# KiCad board mainboard.kicad_pcb (continued)
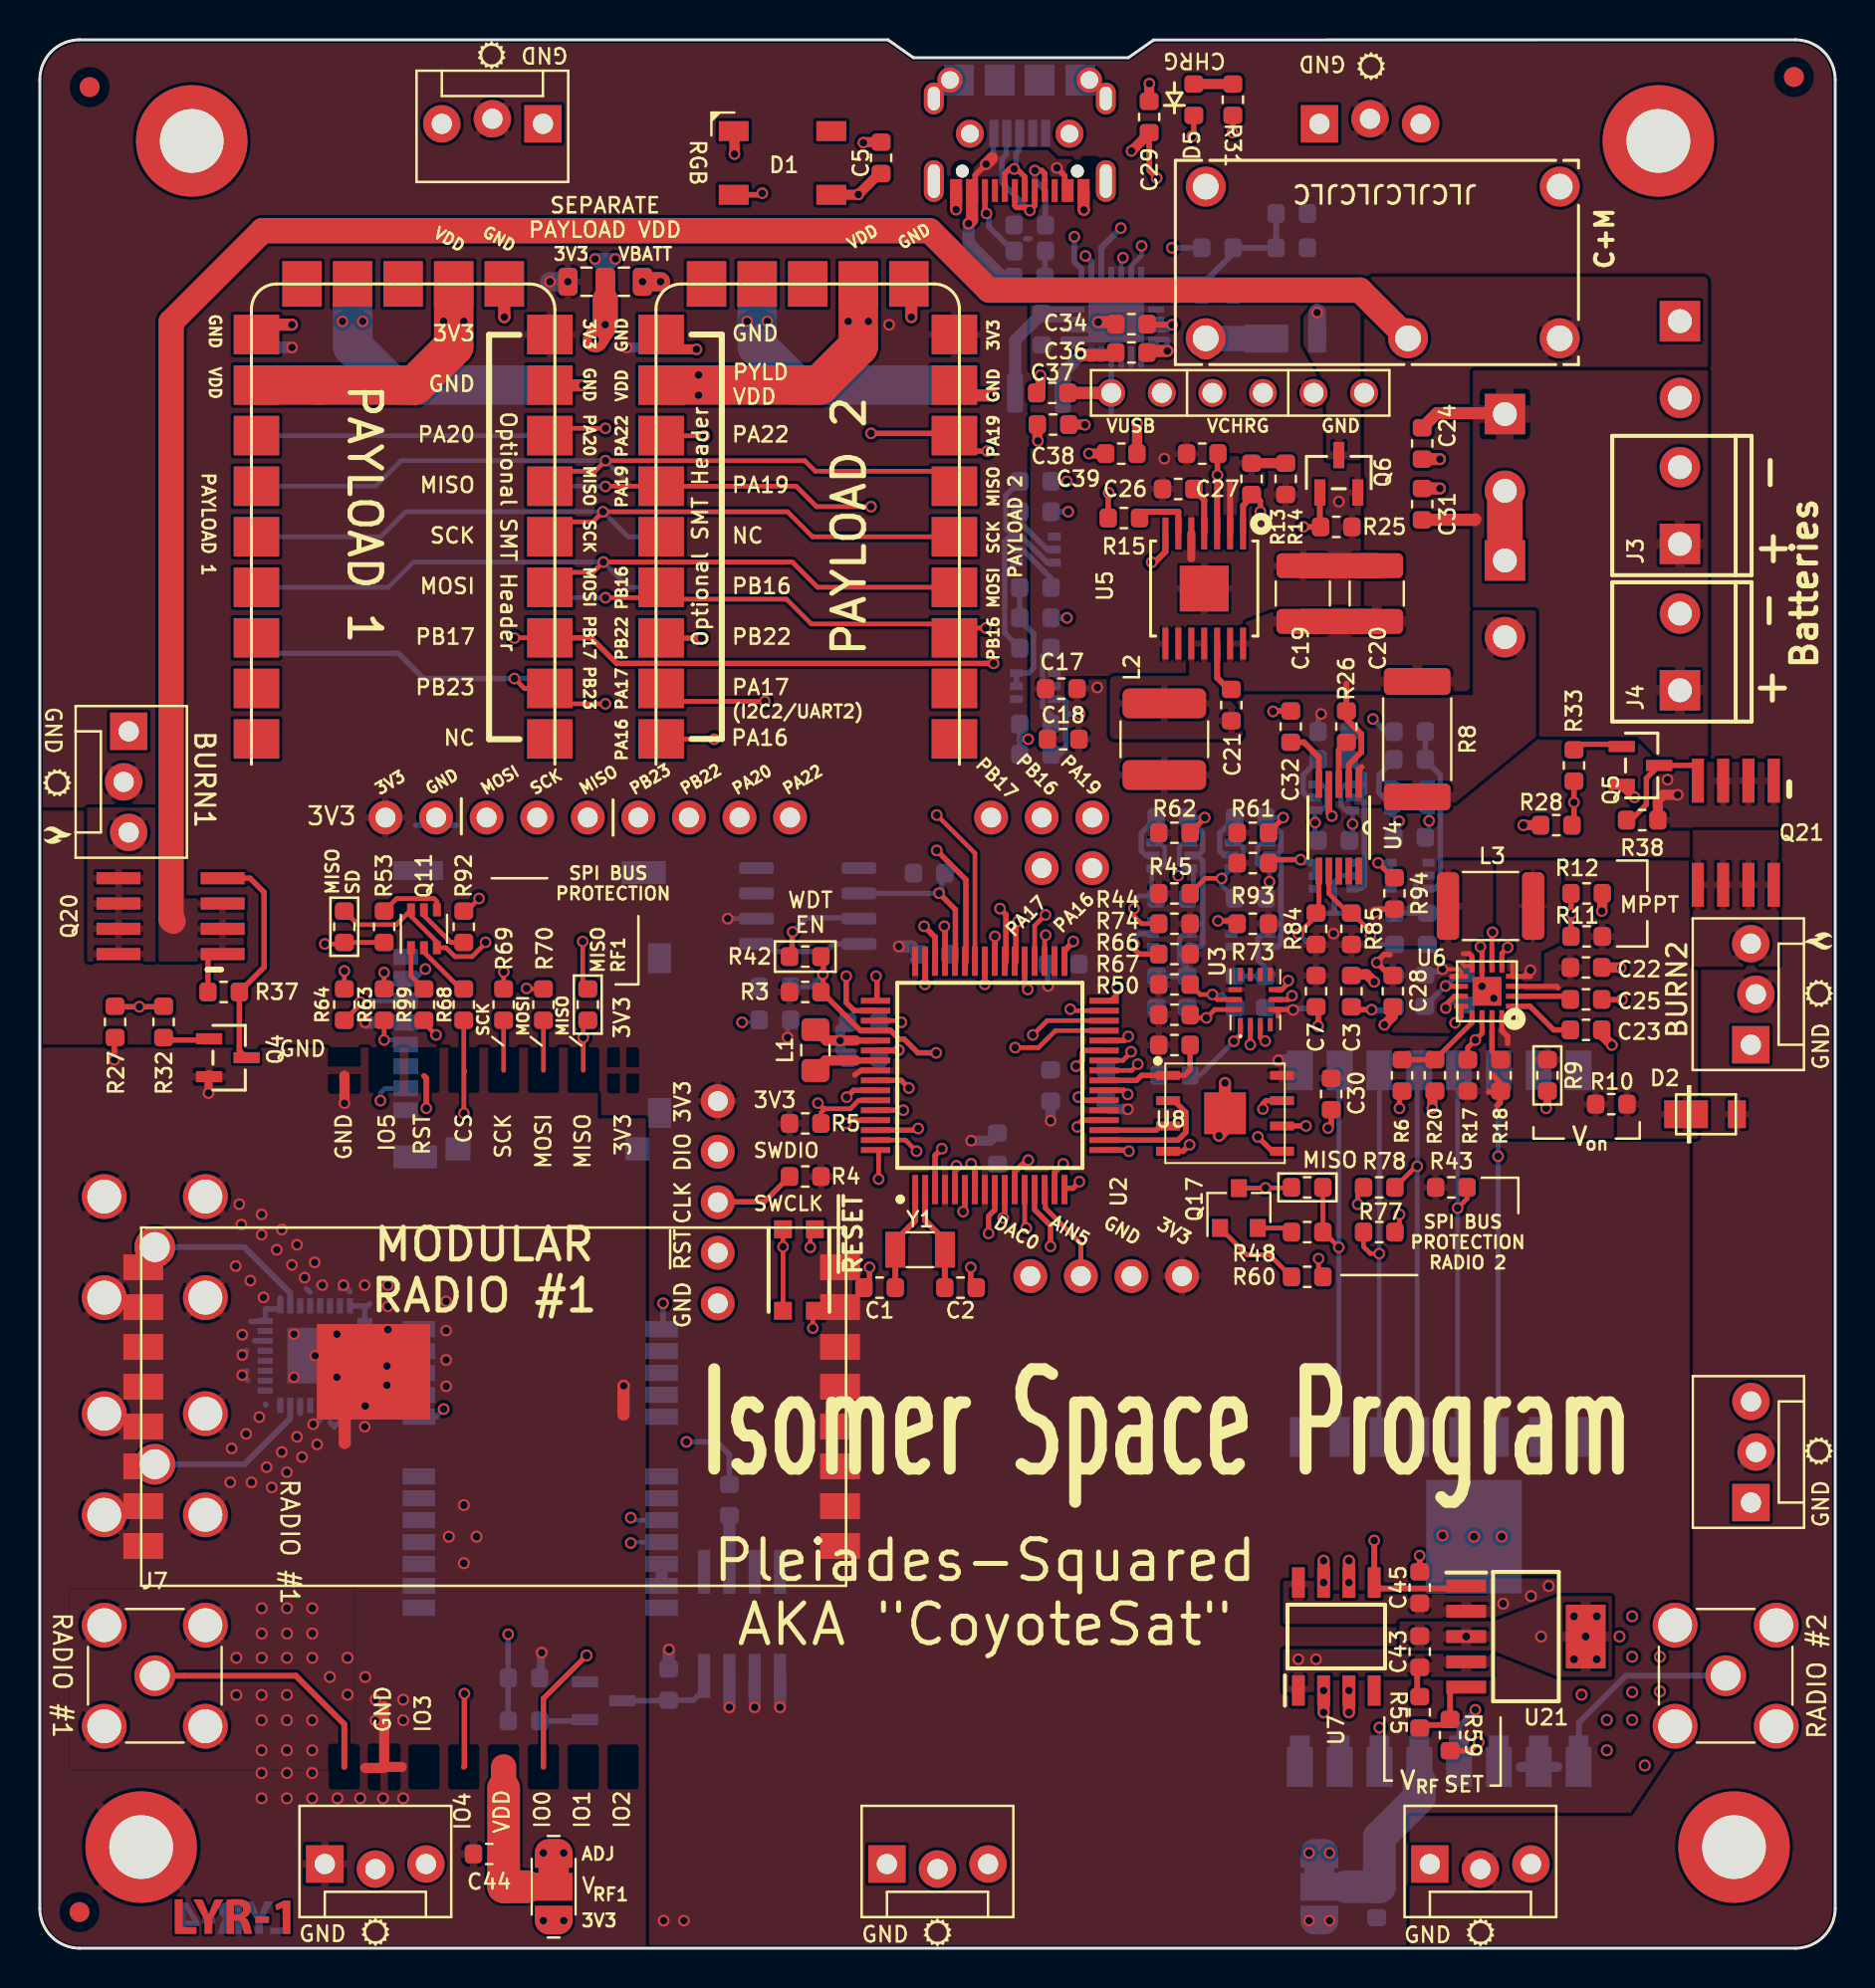
[diagram p0: board, top side]
## Routing (per net, layer and track width the routed paths; a pad name or vN(x,y) marks a point on that pad's centre or on a via; arc(x,y) is an arc through that point) (continued)
MOSI_RF1: length 2.5
  Top w0.235: 25.29,44.11 R70.2
MOSI_RF2: length 20.9
  Top w0.235: R77.1 66.48,35.24 66.83,34.9 v1(67.27,34.9)
  Bottom w0.235: 67.28,44.85 67.28,43.57 67.27,38.77 v1(67.27,34.9) 67.27,25.57
MOSI_SD: length 3.6
  Top w0.235: v1(16.09,47.54) 16.09,47.42 R64.1
  Bottom w0.235: v1(16.09,47.54) 16.16,47.6 J1.3
PA16: length 40.3
  Top w0.235: 50.46,49.52 50.46,50.85 v1(50.52,50.9) ; v1(33.87,60.74) 33.86,60.76 U12.23
  Route15 w0.235: J15.2 52.86,53.31 50.52,50.98 v1(50.52,50.9) 50.52,50.34 49.43,49.25 49.24,49.25 48.83,48.84 48.83,48.52 48.03,47.73 44.35,47.73 39.08,53 36.92,53 33.87,56.05 33.87,57.76 34.57,58.46 34.57,61.47 34.41,61.63 34,61.63 33.87,61.51 v1(33.87,60.74)
  Bottom w0.235: U11.1 33.86,60.76 v1(33.87,60.74)
PA17: length 40.1
  Top w0.235: 49.96,49.52 49.96,51.37 v1(50.51,51.92) ; v1(36.41,62.65) 31.85,62.65 U12.22
  Route15 w0.235: J15.1 50.51,54.08 v1(50.51,51.92) 48.79,50.2 44.16,50.2 39.97,54.39 37.55,54.39 36.41,55.54 v1(36.41,62.65)
  Bottom w0.235: U11.2 31.85,62.65 v1(36.41,62.65)
PA19: length 58.2
  Top w0.235: v1(41.74,72.43) 39.01,72.43 37.99,73.46 U12.18 28.42,73.46 v1(28.41,73.44)
  Top w0.272: v1(49.14,51.59) 49.02,51.47 49.02,49.58 48.96,49.52 ; v1(47.59,75.22) 46.71,75.22 U12.7 45.82,76.11 v1(41.74,76.11)
  Route15 w0.235: v1(41.74,72.43) v1(41.74,76.11)
  Route15 w0.272: v1(49.14,51.59) 49.16,51.61 49.16,54.75 49.94,55.54 51.59,55.54 J9.3 51.4,58.27 49.87,58.27 48.59,59.56 48.59,62.95 49.11,63.47 49.11,73.7 v1(47.59,75.22)
  Bottom w0.235: v1(28.41,73.44) 28.4,73.46 U9.18
PA20: length 60.6
  Top w0.229: v1(28.41,76.37) 25.98,76.37 U10.7
  Top w0.272: 47.46,49.52 47.46,48.43 v1(47.46,48.43)
  Route15 w0.272: v1(28.41,76.37) 28.41,76.24 35.14,69.51 J8.8 35.14,55.54 36.92,53.76 38.85,53.76 43.05,49.57 46.32,49.57 v1(47.46,48.43)
  Bottom w0.229: U9.7 U10.7 25.63,76 26,76.37 v1(28.41,76.37)
PA22: length 40.7
  Top w0.229: U12.17 31.21,75.98 v1(33.36,75.98)
  Top w0.272: v1(45.05,55.16) 46.51,53.69 46.51,49.57 46.46,49.52
  Route15 w0.272: v1(45.05,55.16) 44.75,54.86 38.23,54.86 37.68,55.41 J8.9 37.68,71.67 v1(33.36,75.98)
  Bottom w0.229: 31.18,76 33.35,76 v1(33.36,75.98)
PB16: length 43.1
  Top w0.235: v1(47.51,66.33) 46.44,66.33 45.95,65.84 U12.3 45.23,66.54 38.75,66.54 37.5,67.78 31.8,67.78 U12.20 30.68,67.86 v1(28.41,67.86)
  Top w0.272: v1(48.22,52.24) 48.52,51.93 48.52,49.58 48.46,49.52
  Route15 w0.272: 47.59,66.33 v1(47.51,66.33) 48.67,65.18 48.67,63.76 48.19,63.28 48.19,58.94 J9.2 48.22,54.71 v1(48.22,52.24)
  Bottom w0.235: v1(28.41,67.86) 26.12,67.86 25.61,68.37 U9.20
PB17: length 42.1
  Top w0.235: U10.3 23.85,65.84 v1(23.84,65.82)
  Top w0.272: U10.3 27.69,65.84 28.97,64.55 v1(47.9,64.55) 47.59,64.55 ; 47.96,49.52 47.96,50.41 47.97,50.41 v1(47.97,50.84)
  Route15 w0.272: v1(47.9,64.55) 47.71,64.36 47.71,56.87 J9.1 47.59,56.62 47.59,51.22 v1(47.97,50.84)
  Bottom w0.235: U10.3 23.85,65.84 v1(23.84,65.82)
PB22: length 28.5
  Top w0.272: v1(42,48.83) 42.04,48.79 42.04,47.6 ; v1(33.24,65.82) 31.21,65.82 U12.21
  Route15 w0.272: v1(42,48.83) 38.34,52.49 35.01,52.49 32.6,54.9 J8.7 32.6,65.19 v1(33.24,65.82)
  Bottom w0.272: v1(33.24,65.82) 31.19,65.82 31.18,65.84
PB23: length 45.2
  Top w0.235: v1(23.84,63.79) 24.33,63.3 U10.2 26.39,62.52 v1(28.41,62.52)
  Top w0.272: 42.04,47.1 40.91,47.1 40.5,47.51 v1(40.5,48.83)
  Route15 w0.272: v1(40.5,48.83) 39.51,49.82 35.01,49.82 30.06,54.78 J8.6 30.06,58.33 28.41,59.98 v1(28.41,62.52)
  Bottom w0.235: v1(23.84,63.79) 25.12,63.79 U10.2
  Bottom w0.272: v1(23.84,63.79) 19.27,63.79 18,65.06 11.66,65.06 U9.3
RF1_ANT: length 12.7
  Top w0.293: J7.1 12.86,13.69 15.29,11.26 15.29,9.11
RF1_CS: length 27.2
  Top w0.235: v1(39.08,42.46) 39.37,42.16 39.42,42.16 39.43,42.17 ; 21.35,44.05 21.3,44 v1(21.3,41.95) ; 39.43,42.17 39.23,41.97 R5.2 ; 39.43,42.17 40.7,42.17 41.11,42.58 41.13,42.58 41.15,42.6 42.04,42.6 ; R68.2 21.29,44.11
  Route15 w0.235: v1(39.08,42.46) 38.66,42.46 37.52,41.31 21.93,41.31 v1(21.3,41.95)
RF1_IO0: length 37.9
  Top w0.272: v2(27.46,14.71) 25.29,12.54 25.29,9.11 ; 46.46,38.18 46.46,37.1 v1(46.37,37.01)
  Route15 w0.272: v2(27.46,14.71) 27.48,14.71 45.94,33.16 45.94,36.57 v1(46.37,37.01)
RF1_IO4: length 43.6
  Top w0.272: v1(46.04,39.31) 45.96,39.23 45.96,38.18 ; v1(21.32,12.79) 21.32,9.14 21.29,9.11
  Route15 w0.272: 46.14,39.41 v1(46.04,39.31) 45.35,38.62 45.35,33.64 28.03,16.32 25.58,16.32 22.05,12.79 v1(21.32,12.79)
RF1_RST: length 26.9
  Top w0.272: v1(40.47,41.44) 40.64,41.6 42.04,41.6
  Top w0.279: v1(19.41,42.2) 19.41,43.71 19.29,43.83
  Route15 w0.279: v1(19.41,42.2) 22.84,38.77 37.81,38.77 v1(40.47,41.44)
RF2_CS: length 46.5
  Top w0.235: v1(49.54,36.18) 49.46,36.26 49.46,38.18 ; R43.2 71.68,37.66 v1(71.21,37.19) ; R60.2 64.22,33.95 v1(64.22,34.65)
  Route15 w0.235: v1(71.21,37.19) 68.1,34.07 64.8,34.07 v1(64.22,34.65) 63.07,35.8 49.92,35.8 v1(49.54,36.18)
  Bottom w0.235: U24.13 71.21,44.04 v1(71.21,37.19) ; 71.21,37.12 71.21,25.76 U15.5
RF2_IO0: length 38.2
  Top w0.272: v1(47.65,35.92) 47.65,36.78 47.96,37.1 47.96,38.18
  Route15 w0.272: v1(67.27,11.09) 67.27,14.01 58.51,22.77 55.97,22.77 47.65,31.09 v1(47.65,35.92)
  Bottom w0.272: v1(67.27,11.09) 67.28,11.08 U15.14
RF2_IO4: length 41.8
  Top w0.279: 48.46,38.18 48.46,36.78 v1(48.38,36.69)
  Route15 w0.279: v1(48.38,36.69) 48.38,33.22 56.41,25.18 60.92,25.18 68.03,18.07 68.03,16.04 v1(72.1,11.98)
  Bottom w0.272: 71.28,9.18 71.28,11.16 v1(72.1,11.98)
RF2_RST: length 53.6
  Top w0.272: 53.38,45.1 52.48,45.1 52.36,44.98 52.36,44.62 v1(52.05,44.31)
  Route15 w0.272: v1(52.05,44.31) 49.06,41.32 49.06,39.4 50.9,37.56 59.4,37.56 60.81,38.96 67.3,38.96 68.13,38.14 71.59,38.14 v1(73.24,39.79)
  Bottom w0.235: 73.29,25.57 73.24,25.62 v1(73.24,39.79) 73.24,44.45 73.29,44.5
RX: length 29.4
  Top w0.235: 42.04,40.1 42.13,40.02 v1(42.13,38.65)
  Route15 w0.235: v1(42.13,38.65) 42.13,39.22 42.63,39.73 43.27,39.73 43.46,39.54 43.46,38.96 34.51,30.01 34.51,26.45 30.82,22.77 29.93,22.77 29.68,22.52 v1(29.68,21.63)
  Bottom w0.235: U14.20 29.81,21.5 v1(29.68,21.63)
SCK: length 139.5
  Top w0.235: R78.2 66.19,37.93 v1(66.19,37.38) ; R63.2 17.29,49.02 v1(17.29,49.02) ; U10.5 26.36,71.67 27.77,71.67 v1(28.28,72.17) 37.55,72.17 38.81,70.92 U12.5 ; R69.2 23.29,49.04 v1(23.3,49.05) ; v1(49.87,45.89) 50.59,46.6 53.38,46.6
  Route15 w0.235: 17.3,49.03 v1(17.29,49.02) ; v1(17.29,49.02) 17.76,48.55 21.81,48.55 22.3,49.05 v1(23.3,49.05) ; v1(17.29,49.02) 17.29,49.12 J8.4 27.37,59.2 27.37,63.52 29.41,65.55 29.41,71.05 v1(28.28,72.17) ; v1(23.3,49.05) 23.28,49.03 ; v1(23.3,49.05) 29.05,49.05 33.11,45 41.36,45 42.25,45.89 v1(49.87,45.89) 49.87,44.62 48.21,42.96 48.21,39.11 50.57,36.76 65.58,36.76 v1(66.19,37.38)
  Bottom w0.235: U9.5 17.12,70.92 18.38,72.17 v1(28.28,72.17) 29.54,70.92 31.18,70.92
SCK_RF1: length 2.5
  Top w0.235: R69.1 23.29,44.11
SCK_RF2: length 20.3
  Top w0.235: R78.1 69.11,39.28 v1(69.18,39.28)
  Bottom w0.235: 69.3,25.57 69.18,25.69 69.18,39.28 v1(69.18,39.28) 69.18,44.05 69,44.23
SCK_SD: length 2.2
  Top w0.235: R63.1 17.29,46.62 v1(17.29,45.63)
  Bottom w0.235: J1.5 18.14,45.63 v1(17.29,45.63)
SCL: length 38.8
  Top w0.235: 53.38,44.6 54.39,44.6 54.81,45.02 v1(54.81,45.04) ; v1(59.35,53.75) 58.52,53.75 R45.2
  Route15 w0.235: v1(64.05,56.56) 64.41,56.56 65.05,55.92 65.05,55.35 64.92,55.22 64.16,55.22 63.65,55.73 63.4,55.73 62.95,55.28 61.56,55.28 60.02,53.75 v1(59.35,53.75) 58.95,54.15 58.95,55.16 58.51,55.6 56.87,55.6 53.94,52.67 53.94,52.49 54.19,52.24 54.19,51.98 53.75,51.54 53.75,51.22 53.87,51.09 54.19,51.09 54.64,51.54 54.89,51.54 56.16,50.27 56.16,46.4 v1(54.81,45.04)
  Bottom w0.235: Q7.3 60.19,55.55 60.43,55.31 60.43,54.49 60.19,54.25 Q7.1 59.84,54.24 v1(59.35,53.75) 59.35,53.4 R97.2 ; Q15.3 64.38,58.47 64.62,58.23 64.62,57.41 64.38,57.17 64.04,57.17 64.04,56.57 v1(64.05,56.56) 64.05,55.81 R108.2
SCL_IMU: length 14.7
  Top w0.235: R66.2 58.28,47.92 v1(58.89,47.92) 59.14,47.66 U3.13
  Route15 w0.235: v1(58.89,47.92) 58.89,48.3 61.76,51.16 v1(61.76,53.58)
  Bottom w0.235: R97.1 61.76,52.92 v1(61.76,53.58) ; Q7.4 61.4,55.55 61.16,55.31 61.16,54.49 61.4,54.25 Q7.6 61.76,54.24 v1(61.76,53.58) ; R75.1 59.37,47.92 v1(58.89,47.92) ; 61.74,53.6 61.76,53.59 v1(61.76,53.58)
SCL_PWR: length 62.8
  Top w0.235: 64.24,53.99 64.24,52.15 R84.2 64.1,51.85 v1(63.21,50.97)
  Route15 w0.235: v1(65.93,56.48) 67.53,58.08 67.65,58.08 ; 67.65,58.08 67.49,58.08 61.94,63.63 61.94,72.43 59.65,74.71 57.37,74.71 56.6,75.48 54.31,75.48 51.14,78.65 51.14,81.27 53.78,83.91 53.78,85.11 54.2,85.53 v1(55.34,85.53) ; 67.65,58.08 68.82,56.91 68.82,54.86 66.54,52.58 64.82,52.58 v1(63.21,50.97)
  Bottom w0.235: U17.5 54.81,84.53 55.34,85.05 v1(55.34,85.53) ; v1(63.21,50.97) 63.74,50.43 R95.1 ; Q15.4 65.59,58.47 65.35,58.23 65.35,57.41 65.59,57.17 65.94,57.17 65.94,56.49 v1(65.93,56.48) 65.93,55.82 R108.1
SD_CS: length 33.6
  Top w0.235: v1(22.06,52.74) 21.42,52.11 R92.2 ; v1(43.27,46.52) 43.19,46.6 42.04,46.6
  Route15 w0.235: v1(43.27,46.52) v1(35.27,46.52) 31.97,49.82 20.15,49.82 ; 20.15,49.82 19.53,49.19 v1(19.37,49.19) ; 20.15,49.82 20.15,50.84 v1(22.06,52.74)
  Bottom w0.235: R51.1 36,46.52 v1(35.27,46.52) ; v1(19.37,49.19) 18.87,48.7 J1.2
SDA: length 38.8
  Top w0.235: v1(55.14,44.42) 54.83,44.1 53.38,44.1 ; R44.2 55.33,51.47 54.95,51.85 v1(54.95,52.24)
  Route15 w0.235: v1(68.26,56.62) 68.26,56.62 65.78,54.14 61.3,54.14 60.35,53.19 58.95,53.19 57.68,54.46 56.29,54.46 54.95,53.12 v1(54.95,52.24) 56.73,50.46 56.73,46 v1(55.14,44.42)
  Bottom w0.235: 55.84,54.27 55.84,53.1 56.07,52.87 55.21,52.87 54.95,52.62 v1(54.95,52.24) ; 68.01,55.84 68.26,56.09 v1(68.26,56.62) 67.85,57.04 67.85,57.17 68.19,57.17 68.43,57.41 68.43,58.23 68.19,58.47 Q16.3 ; Q8.3 56.26,55.55 56.5,55.31 56.5,54.49 56.26,54.25 Q8.1 55.84,54.19
SDA_IMU: length 16.1
  Top w0.235: U3.14 59.01,47.16 v1(58.59,46.74) 57.93,46.74 R67.2
  Route15 w0.235: v1(57.17,53.89) 57.17,51.84 57.81,51.2 57.81,47.52 v1(58.59,46.74)
  Bottom w0.235: R98.1 57.93,53.03 57.93,54.13 Q8.6 ; R76.1 57.65,47.26 58.16,46.74 v1(58.59,46.74) ; v1(57.17,53.89) 57.53,54.25 Q8.6 ; Q8.6 57.46,54.25 57.22,54.49 57.22,55.31 57.46,55.55 Q8.4
SDA_PWR: length 57.2
  Top w0.235: v1(66.83,50.9) 66.83,51.08 65.9,52.01 R85.2 65.72,52.01 64.74,52.99 64.74,53.99
  Route15 w0.235: v1(66.83,50.9) 67.4,50.9 69.77,53.28 v1(69.77,56.64) 69.77,61.29 62.7,68.36 62.7,72.56 60.16,75.1 57.75,75.1 56.98,75.86 54.44,75.86 51.6,78.7 51.6,81.16 54.4,83.96 v1(54.4,84.94)
  Bottom w0.235: 69.61,55.79 69.77,55.96 v1(69.77,56.64) ; 67.91,50.43 67.3,50.43 v1(66.83,50.9) ; v1(54.4,84.94) 54.31,84.85 U17.4 ; v1(69.77,56.64) 69.77,57.15 69.75,57.17 69.4,57.17 69.16,57.41 69.16,58.23 69.4,58.47 Q16.4 ; v1(69.77,56.64) 69.77,56.53 69.75,56.5
STAT: length 10.3
  Top w0.272: D5.1 57.96,91.12 v1(57.87,91.03)
  Route15 w0.272: v1(57.87,91.03) 57.24,91.03 55.54,89.33 55.54,87.67 v1(54.29,86.42)
  Bottom w0.3: U17.2 53.31,85.44 v1(54.29,86.42)
SWCLK: length 17.8
  Top w0.272: 42.04,43.6 43.26,43.6 v1(43.65,43.22) ; 34.12,37.48 34.15,37.5 36.39,37.5 R4.2
  Route15 w0.272: v1(43.65,43.22) 37.91,37.48 J2.3
SWDIO: length 9.3
  Top w0.272: v1(40.53,42.76) 40.87,43.1 42.04,43.1
  Route15 w0.272: J2.2 37.79,40.02 v1(40.53,42.76)
THM: length 8.8
  Bottom w0.3: U17.7 56.6,83.33 57.13,83.86 58.64,83.86 59.93,85.15 R34.2 R35.2 R46.2
TX: length 29.4
  Top w0.235: 42.04,40.6 43.47,40.6 v1(44.03,40.04)
  Route15 w0.235: v1(44.03,40.04) 44.03,38.27 35.27,29.5 35.27,25.95 v1(29.68,20.36)
  Bottom w0.235: v1(29.68,20.36) 29.72,20.4 U14.21
USB_CC1: length 4.4
  Top w0.279: J13.A5 50.47,89.17 50.32,89.32 v1(49.97,89.32)
  Bottom w0.279: v1(49.97,89.32) 49.97,88.84 50.51,88.3 R40.2
USB_CC2: length 3.7
  Top w0.272: J13.B5 47.47,87.23 v1(47.54,87.16)
  Bottom w0.279: 48.91,85.26 47.66,86.5 47.66,87.04 v1(47.54,87.16)
USB_D+: length 56.1
  Top w0.279: J13.B6 48.47,89.17 48.7,89.4 v1(48.93,89.4) 49.07,89.4 49.47,89 J13.A6
  Top w0.293: 44.96,49.52 44.96,50.79 v1(44.41,51.35)
  Route15 w0.272: 49.06,89.4 v1(48.93,89.4) 48.93,88.4 49.92,88.4 51.96,86.37 v1(51.96,85.99)
  Route15 w0.293: v1(44.41,51.35) 45.9,52.83 45.9,57.12 43.78,59.24 43.78,59.26 43.61,59.43 43.61,80.73 48.93,86.05 48.93,88.4
  Bottom w0.279: 52.29,83.32 52.28,83.33 U17.24 52.31,83.33 52.31,84.38 51.96,84.73 v1(51.96,85.99) ; v1(48.93,89.4) 49.03,89.5 49.03,90.21 49.19,90.36 49.19,91.06
USB_D-: length 55.4
  Top w0.279: J13.B7 49.97,87.56 v1(49.72,87.31) 49.57,87.46 49.06,87.46 48.97,87.55 J13.A7
  Top w0.293: v1(45.43,51.35) 45.46,51.31 45.46,49.52
  Route15 w0.272: v1(52.51,85.03) 50.94,85.03 49.72,86.25 v1(49.72,87.31)
  Route15 w0.293: v1(45.43,51.35) 45.43,50.84 45.55,50.71 46.19,50.71 46.32,50.84 46.32,58.43 46.03,58.71 44.92,58.71 44.03,59.6 44.03,80.56 49.72,86.25
  Bottom w0.279: 48.54,91.1 48.54,90.11 48.32,89.9 48.32,88.71 v1(49.72,87.31) ; 52.64,85.03 v1(52.51,85.03)
  Bottom w0.3: v1(52.51,85.03) 52.81,84.73 U17.1
VCHRG: length 21
  Top w0.61: C24.1 70.17,77.13 73.53,77.13 J16.1 ; C31.1 72.07,71.77 72.1,71.79
  Route15 w1.27: J14.4 62.9,79.61 67.38,79.61 69.99,77 73.5,77 J16.1
VSOLAR: length 63.6
  Route15 w1.27: 45.17,1.69 38.95,1.69 37.68,2.96 21.68,2.96 20.54,1.82 17.74,1.82 16.85,2.71 JP13.2 ; 45.17,1.69 49.62,1.69 50.76,2.83 66.64,2.83 67.53,1.94 71.72,1.94 72.35,2.58 72.35,4.36 ; 45.17,1.69 45.08,1.78 JP8.2 45.08,3.72
WDT_WDI: length 9
  Top w0.272: 45.96,49.52 45.98,49.54 45.98,52.19 v1(45.16,53.01)
  Bottom w0.272: 41.11,53 45.15,53 v1(45.16,53.01) 45.3,53.15 45.3,54.01
~{CHRG}: length 31.9
  Top w0.25: U6.P$14 72.43,45.96 v1(72.1,45.63) 71.72,45.25 R17.1
  Top w0.279: v1(49.64,39.59) 49.55,39.59 48.96,39.01 48.96,38.18
  Route15 w0.272: v1(49.64,39.59) 51.28,37.96 58.85,37.96 60.3,39.41 65.97,39.41 67.68,41.12 70,41.12 72.1,43.22 v1(72.1,45.63)
~{RESET}: length 30.7
  Top w0.235: SW1.A' v1(37.33,35.24) SW1.A
  Top w0.272: 42.04,46.1 42.74,46.1 43.16,45.68 43.41,45.68 44.1,44.99 v1(45.02,44.99) ; 39.36,49.82 39.36,48.96 v1(39.33,48.93) 39.33,47.99 41.21,46.1 41.62,46.1
  Route15 w0.272: v1(45.02,44.99) 45.02,42.93 37.02,34.94 J2.4
  Bottom w0.235: C4.2 38.7,48.3 v1(39.33,48.93)
Net-(C6-Pad1): length 12.2
  Bottom w0.272: R49.2 48.51,73 48.51,71.33 48.92,70.92 Q3.3 ; Q3.3 49.3,70.92 50.6,69.62 Q3.6 ; Q3.3 48.7,70.92 48.46,70.68 48.46,66.09 49.21,65.34 C6.1
Net-(C6-Pad2): length 4.7
  Bottom w0.272: Q2.5 50.6,63.41 ; 50.6,63.41 50.36,63.65 50.36,64.92 50.76,65.32 C6.2 ; 50.6,63.41 50.36,63.17 50.36,62.41 50.79,61.98 R47.2
Net-(C8-Pad1): length 4.2
  Bottom w0.272: Q12.5 61.42,50.97 61.18,50.73 61.18,49.64 61.56,49.27 C8.1 R75.2
Net-(C12-Pad2): length 5.3
  Top w0.293: U2.53 40.98,45.6
  Top w0.508: L1.1 39.5,45.6 v1(40.2,45.6) 40.98,45.6
  Bottom w0.508: C12.2 40.2,46.14 v1(40.2,45.6) 40.2,45.12 C14.1
Net-(C21-Pad2): length 2.7
  Top w0.305: C21.2 59.72,63.25 59.13,63.83 U5.12
Net-(C23-Pad1): length 3.4
  Top w0.272: U6.P$1 74.85,47.33 76.03,46.14 C23.1
Net-(C25-Pad1): length 3
  Top w0.25: U6.P$2 74.4,47.83
  Top w0.272: C25.1 76.72,47.83 74.4,47.83
Net-(C25-Pad2): length 8.6
  Top w0.25: v1(74.86,49.14) 74.86,48.83 U6.P$4 73.97,48.83 73.97,49.52
  Top w0.272: 74.55,48.83 v1(74.86,49.14) ; C25.2 78.46,47.66 v1(79.46,47.66)
  Route15 w0.279: v1(79.46,47.66) 77.99,49.14 v1(74.86,49.14)
Net-(C26-Pad1): length 2.4
  Top w0.305: C26.1 57.96,73.29 58.48,72.77 U5.4
Net-(C27-Pad1): length 11.1
  Top w0.279: v1(59.14,74.02) 59.14,75.39 59.17,75.41 ; v1(53.68,73.13) 53.66,73.1 53.66,72.24
  Top w0.305: v1(59.14,74.02) 59.13,74 U5.3
  Route15 w0.279: v1(59.14,74.02) 54.57,74.02 v1(53.68,73.13)
Net-(C32-Pad2): length 3.1
  Top w0.293: U4.5 64.24,59.84 63.49,60.59 C32.2
Net-(C35-Pad2): length 8.2
  Bottom w0.279: 50.63,81.83 C35.2 50.53,82.33
  Bottom w0.3: U17.22 50.53,82.33 ; U17.21 50.63,81.83
  Bottom w0.61: C35.2 48.98,80.78 L4.1
Net-(C36-Pad1): length 5.2
  Top w0.61: 54.04,80.05 v1(52.29,80.05)
  Bottom w0.272: 53.31,79.86 52.81,79.86 ; 53.31,80.3 52.81,80.3
  Bottom w0.61: L4.2 51.38,79.15 v1(52.29,80.05) ; 52.67,80.05 52.54,80.05
Net-(C36-Pad2): length 3.4
  Top w0.61: C36.2 55.61,80.2 55.66,80.25 v1(56.63,80.25)
  Bottom w0.279: 56.76,80.39 56.76,80.38 v1(56.63,80.25)
  Bottom w0.3: 56.21,80.25 v1(56.63,80.25) 56.63,80.78 56.58,80.83 U17.12 56.06,80.4 56.21,80.25
Net-(C37-Pad2): length 6.3
  Top w0.508: v1(52.49,76.54) 52.48,76.56 C38.2
  Top w0.61: C37.2 J14.1
  Bottom w0.279: U17.16 53.81,79.8 ; 53.81,79.13 J14.1 53.81,77.15
  Bottom w0.3: U17.16 53.81,79.54 ; U17.15 54.31,79.54
Net-(C39-Pad2): length 3
  Top w0.508: C39.2 v1(55.11,76.62)
  Bottom w0.279: U17.14 54.81,79.87 ; U17.13 55.31,79.88
  Bottom w0.3: U17.14 54.81,79.55 ; U17.13 55.31,79.56
  Bottom w0.508: 55.11,76.6 v1(55.11,76.62)
Net-(C40-Pad1): length 4.2
  Bottom w0.272: Q13.5 57.48,50.97 57.25,50.73 57.25,49.64 57.62,49.27 R76.2 C40.1
Net-(C41-Pad1): length 4.4
  Bottom w0.272: C41.1 65.01,52.01 ; 65.01,52.01 64.12,52.01 64.1,51.98 ; 65.01,52.01 65.01,53.53 65.36,53.89 Q18.5
Net-(C42-Pad1): length 4.2
  Bottom w0.272: Q19.5 69.17,53.89 69.11,53.83 69.11,52.59 68.82,52.3 68.82,52.01 ; 69.56,52.01 68.82,52.01 ; 68.82,52.01 67.91,52.01
Net-(D1-Pad4): length 46.2
  Top w0.229: 46.96,49.52 46.96,55.02 v1(45.05,56.93)
  Top w0.279: D1.4 36.21,88.1 v1(36.28,88.18)
  Route15 w0.279: v1(45.05,56.93) 42.25,56.93 39.33,59.86 39.33,82.33 36.28,85.38 v1(36.28,88.18)
Net-(D4-PadA): length 10
  Route15 w1.27: v1(64.15,82.18) 64.15,82.92 U16.5
  Bottom w0.889: D4.A v1(64.15,82.18)
Net-(D5-Pad2): length 2
  Top w0.508: R31.1 D5.2
Net-(J5-Pad1): length 8.4
  Bottom w0.293: U13.15 12.58,26.62 10.27,24.32 J5.1
Net-(J6-Pad1): length 8.4
  Bottom w0.293: U13.26 12.58,32.92 10.27,35.23 J6.1
Net-(J16-Pad2): length 3.5
  Top w1.778: J17.1 J16.2
Net-(L1-Pad2): length 3.2
  Top w0.293: U2.55 40.98,44.6
  Top w0.508: 40.98,44.6 39.46,44.6 L1.2
Net-(L3-Pad1): length 1.5
  Top w0.203: 71.4,49.5 71.41,49.49 71.41,49.49 71.55,49.35 71.9,49.35 U6.P$8
  Top w0.25: 71.5,49.97 71.78,49.97 71.93,49.82 U6.P$8
Net-(Q1-Pad1): length 2.2
  Bottom w0.272: Q1.1 27.31,11.42 25.17,11.42
Net-(Q1-Pad3): length 4.2
  Bottom w0.279: Q1.3 31.05,12.44 31.08,12.46 32.83,12.46 33.24,12.87
Net-(Q2-Pad2): length 6
  Bottom w0.272: Q2.2 Q2.3 49.65,64.06 49.91,64.33 49.91,66.04 49.21,66.74 R30.2 R110.2
Net-(Q3-Pad2): length 2.8
  Bottom w0.272: R110.1 50.79,68.84 49.36,70.27 Q3.2
Net-(Q3-Pad5): length 2.8
  Bottom w0.272: Q3.5 50.6,70.27 49.21,71.66 R52.1
Net-(Q4-Pad1): length 2.4
  Top w0.272: Q4.1 8.44,45.63 6.34,45.63 R32.1
Net-(Q5-Pad1): length 2.6
  Top w0.272: R33.1 77.33,60.49 79.34,60.49 Q5.1
Net-(Q7-Pad2): length 2.7
  Bottom w0.272: R71.1 60.01,56.78 59.26,56.03 59.26,55.14 59.5,54.9 Q7.2
Net-(Q8-Pad2): length 2.7
  Bottom w0.272: R72.1 56.07,56.78 55.32,56.03 55.32,55.14 55.56,54.9 Q8.2
Net-(Q11-Pad1): length 2.3
  Top w0.235: Q11.1 18.64,48.85 R99.1
Net-(Q11-Pad2): length 3
  Top w0.235: R68.1 21.14,48.2 19.29,50.05 Q11.2
Net-(Q11-Pad4): length 3.4
  Top w0.235: R53.1 17.92,52.74 19.8,52.74 19.94,52.59 Q11.4
Net-(Q11-Pad5): length 2.8
  Top w0.235: R92.1 20.64,50.53 19.29,51.88 Q11.5
Net-(Q12-Pad2): length 2.3
  Top w0.272: v1(59.17,51.62) 59.99,51.62 R73.2
  Bottom w0.272: Q12.2 Q12.3 59.17,51.62 v1(59.17,51.62)
Net-(Q12-Pad6): length 9.7
  Top w0.272: R61.2 62.34,56.68 62.45,56.68
  Bottom w0.272: 62.09,54.9 Q7.5 ; 62.09,54.9 62.33,55.14 62.33,56.03 61.56,56.81 R71.2 v1(62.45,56.81) ; 62.09,54.9 62.33,54.66 62.33,50.47 62.18,50.32 Q12.6
Net-(Q13-Pad2): length 3.6
  Top w0.272: R74.2 55.21,49.95 54.95,50.2 v1(54.95,50.46)
  Bottom w0.272: Q13.3 Q13.2 55.21,50.97 54.95,50.71 v1(54.95,50.46)
Net-(Q13-Pad6): length 9.7
  Top w0.272: R62.2 58.41,56.68 58.51,56.68
  Bottom w0.272: v1(58.51,56.81) R72.2 58.4,56.06 58.4,55.14 58.16,54.9 Q8.5 ; Q13.6 58.24,50.32 58.41,50.48 58.41,54.62 58.13,54.9
Net-(Q15-Pad2): length 2.7
  Bottom w0.272: R86.1 64.22,59.73 63.45,58.95 63.45,58.06 63.69,57.82 Q15.2
Net-(Q15-Pad5): length 9.4
  Bottom w0.272: 66.28,57.82 66.52,57.58 66.52,53.39 66.38,53.25 65.95,53.25 Q18.6 ; 66.28,57.82 66.52,58.06 66.52,58.95 65.77,59.7 R86.2 65.77,61.25 ; 66.28,57.82 Q15.5
Net-(Q16-Pad2): length 2.7
  Bottom w0.272: R87.1 68.01,59.7 67.26,58.95 67.26,58.06 67.5,57.82 Q16.2
Net-(Q16-Pad5): length 9.3
  Bottom w0.272: 70.09,57.82 70.34,57.58 70.34,53.5 70.07,53.24 Q19.6 ; 70.09,57.82 70.33,58.06 70.33,58.95 69.58,59.7 R87.2 69.58,61.25 ; 70.09,57.82 Q16.5
Net-(Q17-Pad1): length 4.6
  Top w0.235: R60.1 61.76,34.84 60.62,34.84 Q17.1
Net-(Q17-Pad2): length 1.8
  Top w0.235: Q17.2 62.66,36.19 R48.1
Net-(Q18-Pad2): length 3.1
  Top w0.272: v1(63.32,54.69) 61.88,54.69 R93.2
  Bottom w0.272: Q18.2 Q18.3 63.48,54.54 v1(63.32,54.69)
Net-(Q19-Pad2): length 2.4
  Top w0.272: v1(67.21,54.53) 67.96,53.78 R94.2
  Bottom w0.272: Q19.2 Q19.3 67.22,54.54 v1(67.21,54.53)
Net-(Q20-Pad4): length 11.4
  Top w0.272: Q20.4 10.56,53.76 11.26,53.05 11.26,49.29 R37.1 10.02,45.1 Q4.3
Net-(Q21-Pad4): length 6.2
  Top w0.272: Q21.4 83.27,59.41 83.26,59.43 Q5.3 80.69,58.79 80.69,57.46 80.03,56.81 79.69,56.81
Net-(R6-Pad2): length 19.4
  Top w0.272: v1(68.29,42.2) 68.29,42.94 R6.2 ; v1(52.21,38.51) 52.21,38.5 51.89,38.18 51.46,38.18
  Route15 w0.272: v1(68.29,42.2) 67.63,42.2 65.23,39.81 60.13,39.81 58.84,38.51 v1(52.21,38.51)
Net-(R10-Pad1): length 1.5
  Top w0.25: U6.P$16 73.43,46.09
  Top w0.279: 73.47,46.09 73.43,46.09 73.72,45.8 73.72,45.46
Net-(R11-Pad1): length 8.5
  Top w0.25: U6.P$6 72.93,51.01 v1(72.96,51.04)
  Top w0.279: R12.2 76.9,52.01 v1(76.92,51.98) 76.9,51.96 76.9,50.58
  Route15 w0.25: v1(72.96,51.04) 73.9,51.98 v1(76.92,51.98)
Net-(R13-Pad1): length 4.1
  Top w0.305: U5.2 59.78,73.57
  Top w0.508: R14.2 60.99,74.61
Net-(R15-Pad1): length 3.2
  Top w0.305: R15.1 55.55,72.17 57.18,72.17 57.18,72.17 U5.6
Net-(R16-Pad1): length 2.3
  Top w0.25: U6.P$11 71.04,47.83 70.61,47.4 v1(70.61,47.24)
  Top w0.272: 70.61,47.28 v1(70.61,47.24)
  Bottom w0.272: 71.59,47.54 70.91,47.54 v1(70.61,47.24)
Net-(R16-Pad2): length 3.5
  Top w0.25: U6.P$10 70.6,48.33
  Top w0.272: 70.6,48.33 v1(70.6,48.35)
  Bottom w0.272: R19.2 70.58,48.35 v1(70.6,48.35) 71.22,48.96 R16.2
Net-(R18-Pad1): length 2.3
  Top w0.25: U6.P$15 72.93,46.08
  Top w0.272: 72.93,46.08 72.93,45.06 73.34,44.66
Net-(R24-Pad1): length 18.2
  Route15 w0.279: v1(20.28,27.09) 21.93,25.44 v1(32.47,25.44)
  Bottom w0.279: 34.63,23.28 34.63,24.8 34,25.44 v1(32.47,25.44) ; U14.8 19.89,26.7 v1(20.28,27.09)
Net-(R26-Pad2): length 2.3
  Top w0.293: U4.3 65.24,60.21 R26.2
Net-(R36-Pad2): length 2.8
  Bottom w0.279: 57,82.83 57.01,82.84
  Bottom w0.3: U17.8 57,82.83
  Bottom w0.61: 57.01,82.92 57.34,83.25 58.18,83.25 ; 58.13,83.25 57.56,83.25
Net-(R41-Pad1): length 3.9
  Top w0.25: U3.1 60.3,45.9 v1(59.97,45.57)
  Bottom w0.25: v1(59.97,45.57) 58.26,43.86 R41.1
Net-(R42-Pad2): length 4.9
  Top w0.272: 37.78,49.82 37.78,51.04 v1(37.81,51.06)
  Bottom w0.272: v1(37.81,51.06) 38.52,51.77 41.1,51.77 U1.7
Net-(R55-Pad2): length 4.2
  Top w0.293: R55.2 69.46,11.21 70.7,11.21 70.83,11.34 R59.1 70.83,12.99 70.95,13.12 U21.5
Net-(U1-Pad1): length 5.5
  Bottom w0.272: U1.1 36.54,50.46 36.92,50.08 39.48,50.08 39.86,50.46 U1.8

## Copper pours and planes (outline as drawn; the poured copper is in the pictures)
3.3V on Top: 6.31,2.83 6.31,0.29 12.92,0.29 12.92,2.83
3.3V on Top: 88.17,0 2,0 1.69,0.02 1.38,0.1 1.09,0.22 0.82,0.38 0.59,0.59 0.38,0.82 0.22,1.09 0.1,1.38 0,2 0,93.88 0.02,94.2 0.1,94.5 0.22,94.79 0.38,95.06 0.59,95.3 0.82,95.5 1.09,95.67 1.38,95.79 2,95.88 42.6,95.88 43.87,94.99 54.67,94.99 55.94,95.88 88.17,95.88 88.48,95.86 88.79,95.79 89.08,95.67 89.35,95.5 89.58,95.3 89.79,95.06 89.95,94.79 90.07,94.5 90.17,93.88 90.17,2 90.15,1.69 90.07,1.38 89.95,1.09 89.79,0.82 89.58,0.59 89.35,0.38 89.08,0.22 88.79,0.1
GND on Top: 28.03,41.69 30.44,41.69 30.44,-0.09 -0.04,-0.09 -0.04,45.25 28.03,45.25
GND on Top: 49.75,83.6 65.57,83.6 66.51,82.72 66.51,67.22 62.06,67.22 60.16,66.46 57.75,66.46 57.75,63.92 51.46,63.92 51.46,60.55 49.75,60.55
GND on Top: 72.99,14.95 68.29,14.95 68.29,16.42 72.99,16.42 76.29,17.69 78.96,17.69 78.96,13.63 76.29,13.63
GND on Top: 15.84,8.93 1.49,8.93 1.49,18.07 15.84,18.07
GND on Bottom: 2,95.88 42.6,95.88 43.87,94.99 54.67,94.99 55.94,95.88 88.17,95.88 88.48,95.86 88.79,95.79 89.08,95.67 89.35,95.5 89.58,95.3 89.79,95.06 89.95,94.79 90.07,94.5 90.17,93.88 90.17,2 90.15,1.69 90.07,1.38 89.95,1.09 89.79,0.82 89.58,0.59 89.35,0.38 89.08,0.22 88.79,0.1 88.17,0 2,0 1.69,0.02 1.38,0.1 1.09,0.22 0.82,0.38 0.59,0.59 0.38,0.82 0.22,1.09 0.1,1.38 0,2 0,93.88 0.02,94.2 0.1,94.5 0.22,94.79 0.38,95.06 0.59,95.3 0.82,95.5 1.09,95.67 1.38,95.79
GND on Bottom: 90.2,8.42 75.15,8.42 75.15,18.71 90.2,18.71
GND on Bottom: 6.31,2.83 6.31,0.29 12.92,0.29 12.92,2.83
GND on Bottom: 8.95,35.55 32.22,35.55 32.22,3.98 11.26,3.95 11.26,19.04 8.95,19.04
GND on Bottom: 13.83,31.03 19.77,31.03 19.77,28.99 13.83,28.99 13.83,20.1 1.38,20.1 1.38,39.41 13.83,39.41
GND on Route2: -0.04,95.92 90.26,95.92 90.26,0.04 -0.04,0.04
GND on Route15: -0.04,40.42 10.73,40.42 21.49,34.71 21.49,27.85 20.03,27.47 19.52,26.2 10.73,19.53 -0.04,19.53
GND on Route15: 90.2,6.9 75.15,6.9 75.15,18.71 90.2,18.71
GNDREF on Bottom: 43.59,95.92 43.59,88.18 49.85,82.84 49.85,79.95 49.87,74.46 68.54,74.46 69.81,73.44 69.81,63.28 71.97,61.38 90.26,61.38 90.26,95.92
VBATT on Top: 83.78,66.84 71.84,66.84 71.84,63.16 59.78,63.16 59.14,63.67 59.14,66.08 62.45,67.35 66.51,67.35 66.51,83.99 83.78,83.99
VBATT on Top: 70.19,50.2 70.19,49.57 71.02,49.44 71.02,49.06 71.94,49.06 71.94,45.96 67.4,46.01 67.4,50.2
VBATT on Top: 62.45,18.45 64.1,18.45 64.1,17.82 72.73,17.82 72.73,18.58 76.16,18.58 76.16,17.56 72.99,16.29 62.45,16.29
VBATT on Route15: 53.56,90.46 52.03,90.46 50.89,92.37 47.59,92.37 46.7,90.72 44.92,90.72 44.92,95.03 53.56,95.03
VBATT on Route15: 84.42,53 74.13,53 70.95,49.31 70.95,48.3 66.76,48.3 66.76,50.2 70.83,53.25 70.83,65.19 60.67,75.48 55.84,76.62 55.84,81.7 64.1,81.7 64.1,83.6 84.42,83.6
VBATT_SENSE on Top: 75.15,60.87 70.95,57.44 66,57.44 66,62.97 71.97,62.97 71.97,67.22 75.15,67.22
VBUS_IN on Top: 51.08,89.89 53.49,89.89 53.49,88.05 46.63,88.05 46.63,89.19 47.78,90.34 50.63,90.34
/Burn Wires/VBURN1 on Top: 2.37,57.32 5.8,57.32 5.8,49.57 2.37,49.57
/Burn Wires/VBURN2 on Top: 87.34,56.17 87.34,49.31 83.02,49.31 83.02,56.17
/Burn Wires/VBURN_A_IN on Top: 87.34,59.6 87.34,56.3 80.86,56.3 80.86,59.6
/Burn Wires/VBURN_A_IN on Top: 10.25,52.74 10.25,49.57 5.93,49.57 5.93,52.74
/Power/V_RF on Top: 62.45,12.87 64.1,12.87 64.1,13.63 72.99,13.63 72.99,15.02 62.45,15.02
/Power/VCHRG_IN on Top: 83.27,54.65 83.27,40.68 79.08,40.68 78.83,45 76.8,45 74.51,47.28 74.51,48.89 72.99,48.89 72.99,54.65
GPS_PWR_IN on Bottom: 30.31,20.1 37.93,20.1 37.93,17.44 30.31,17.44
VCHRG on Top: 83.78,79.29 83.78,59.73 81.37,59.73 80.23,60.87 75.15,60.87 75.15,65.7 71.97,66.97 71.97,79.29
VSOLAR on Top: 68.8,0.04 90.26,0.04 90.26,95.92 -0.04,95.92 -0.01,57.32 7.07,57.32 7.07,82.08 11.77,86.78 45.05,86.78 47.87,83.93 83.02,83.99 83.02,11.21 79.97,6.64 68.8,6.64
Net-(C21-Pad1) on Top: 57.72,66.28 58.94,66.28 58.94,63.73 60.41,61.95 60.41,60.74 53.75,60.74 53.75,63.92 57.72,63.92
Net-(C25-Pad2) on Top: 76.42,54.65 73.11,54.65 73.11,48.55 75.4,48.55 75.4,50.08 76.42,50.58
Net-(C37-Pad2) on Bottom: 54.51,76.17 51.71,76.17 51.65,79.41 52.29,80.05 53.56,80.05 53.56,80.56 54.51,80.56
Net-(C39-Pad2) on Bottom: 58.19,79.16 59.91,79.16 59.91,76.17 54.64,76.17 54.64,80.56 55.78,80.56
Net-(D4-PadA) on Top: 66.33,74.76 64.6,74.76 64.6,78.52 63.46,80.56 63.46,81.95 64.22,82.84 66.33,82.84
Net-(L3-Pad1) on Top: 72.99,49.82 72.99,54.65 70.32,54.65 70.32,49.27 72.22,49.25 72.22,49.82
Net-(R10-Pad1) on Top: 73.37,44.11 73.11,44.11 73.11,47.16 74.64,47.16 76.54,45.5 79.05,45.5 79.05,40.68 73.34,40.68
Net-(R13-Pad1) on Top: 61.53,74.97 61.53,72.94 60.41,72.43 60.41,70.78 59.14,70.78 59.14,74.97

Small or netless copper shapes (teardrops, artwork), in the pictures only: 1 on Top, 1 on Bottom

## Text on the board
B.Mask: HOLLIDAY
B.Silkscreen: GND | VDD | 3V3 | MOSI | SCK | MISO | PB23 | PB22 | PA20 | PA22 | PA17 | PA16 | PB16 | PB17 | PA19 | RF2 | VBATT | (I2C2/UART2) | ADJ | PWR  SCL  IMU | I2C BUS / PROTECTION | float | PAYLOAD 4 | PAYLOAD 3 | SWDIO | SWCLK | V | PYLD / VDD | SEPARATE / PAYLOAD VDD | NC | C | SDA IMU | Optional SMT Header | SDA / PWR | ~{RESET} | DAC0 | AIN5 | RADIO #1 | BURN2 | IO2 | IO1 | IO0 | IO4 | CS | IO3 | RST | IO5 | ANT | RADIO #2 | BURN1 | VUSB | VCHRG | Batteries | High Side / Switches | Low Side / Switch | + | - | MODULAR / RADIO #2 | Pleiades-Squared / AKA {dblquote}CoyoteSat{dblquote} | Isomer Space Program
F.Mask: HOLLIDAY
F.Silkscreen: VDD | GND | 3V3 | MOSI | SCK | MISO | PB23 | PB22 | PA20 | PA22 | PA19 | PB16 | PA17 | PA16 | PB17 | DAC0 | AIN5 | VUSB | VCHRG | RF1 | SPI BUS / PROTECTION | RF | SPI BUS / PROTECTION / RADIO 2 | on | ADJ | VBATT | (I2C2/UART2) | MISO / SD | MISO / RF1 | PAYLOAD 2 | PAYLOAD 1 | SWDIO | SWCLK | V | IO5 | RST | IO3 | IO4 | CS | IO0 | IO1 | IO2 | PYLD / VDD | MPPT | SEPARATE / PAYLOAD VDD | NC | SET | DIO | CLK | ~{RST} | Optional SMT Header | RGB | WDT / EN | CHRG | RADIO #1 | RADIO #2 | ~{RESET} | C+M | JLCJLCJLCJLC | BURN2 | BURN1 | Batteries | + | MODULAR / RADIO #1 | - | Pleiades-Squared / AKA {dblquote}CoyoteSat{dblquote} | Isomer Space Program
